# Altium PCB 1166V10.PcbDoc (part 6 of 6)
Units mm, origin at the board's own origin, x right, y up, seen from the top; angles counter-clockwise.
Board outline 155.98 x 100 mm, 8 copper layers (Top Layer, Layer 1, Layer 2, Layer 3, Layer 4, Layer 5, Layer 6, Bottom Layer), stack 1.6 mm thick; 455 components, 271 nets, 1649 pads, 2175 vias.
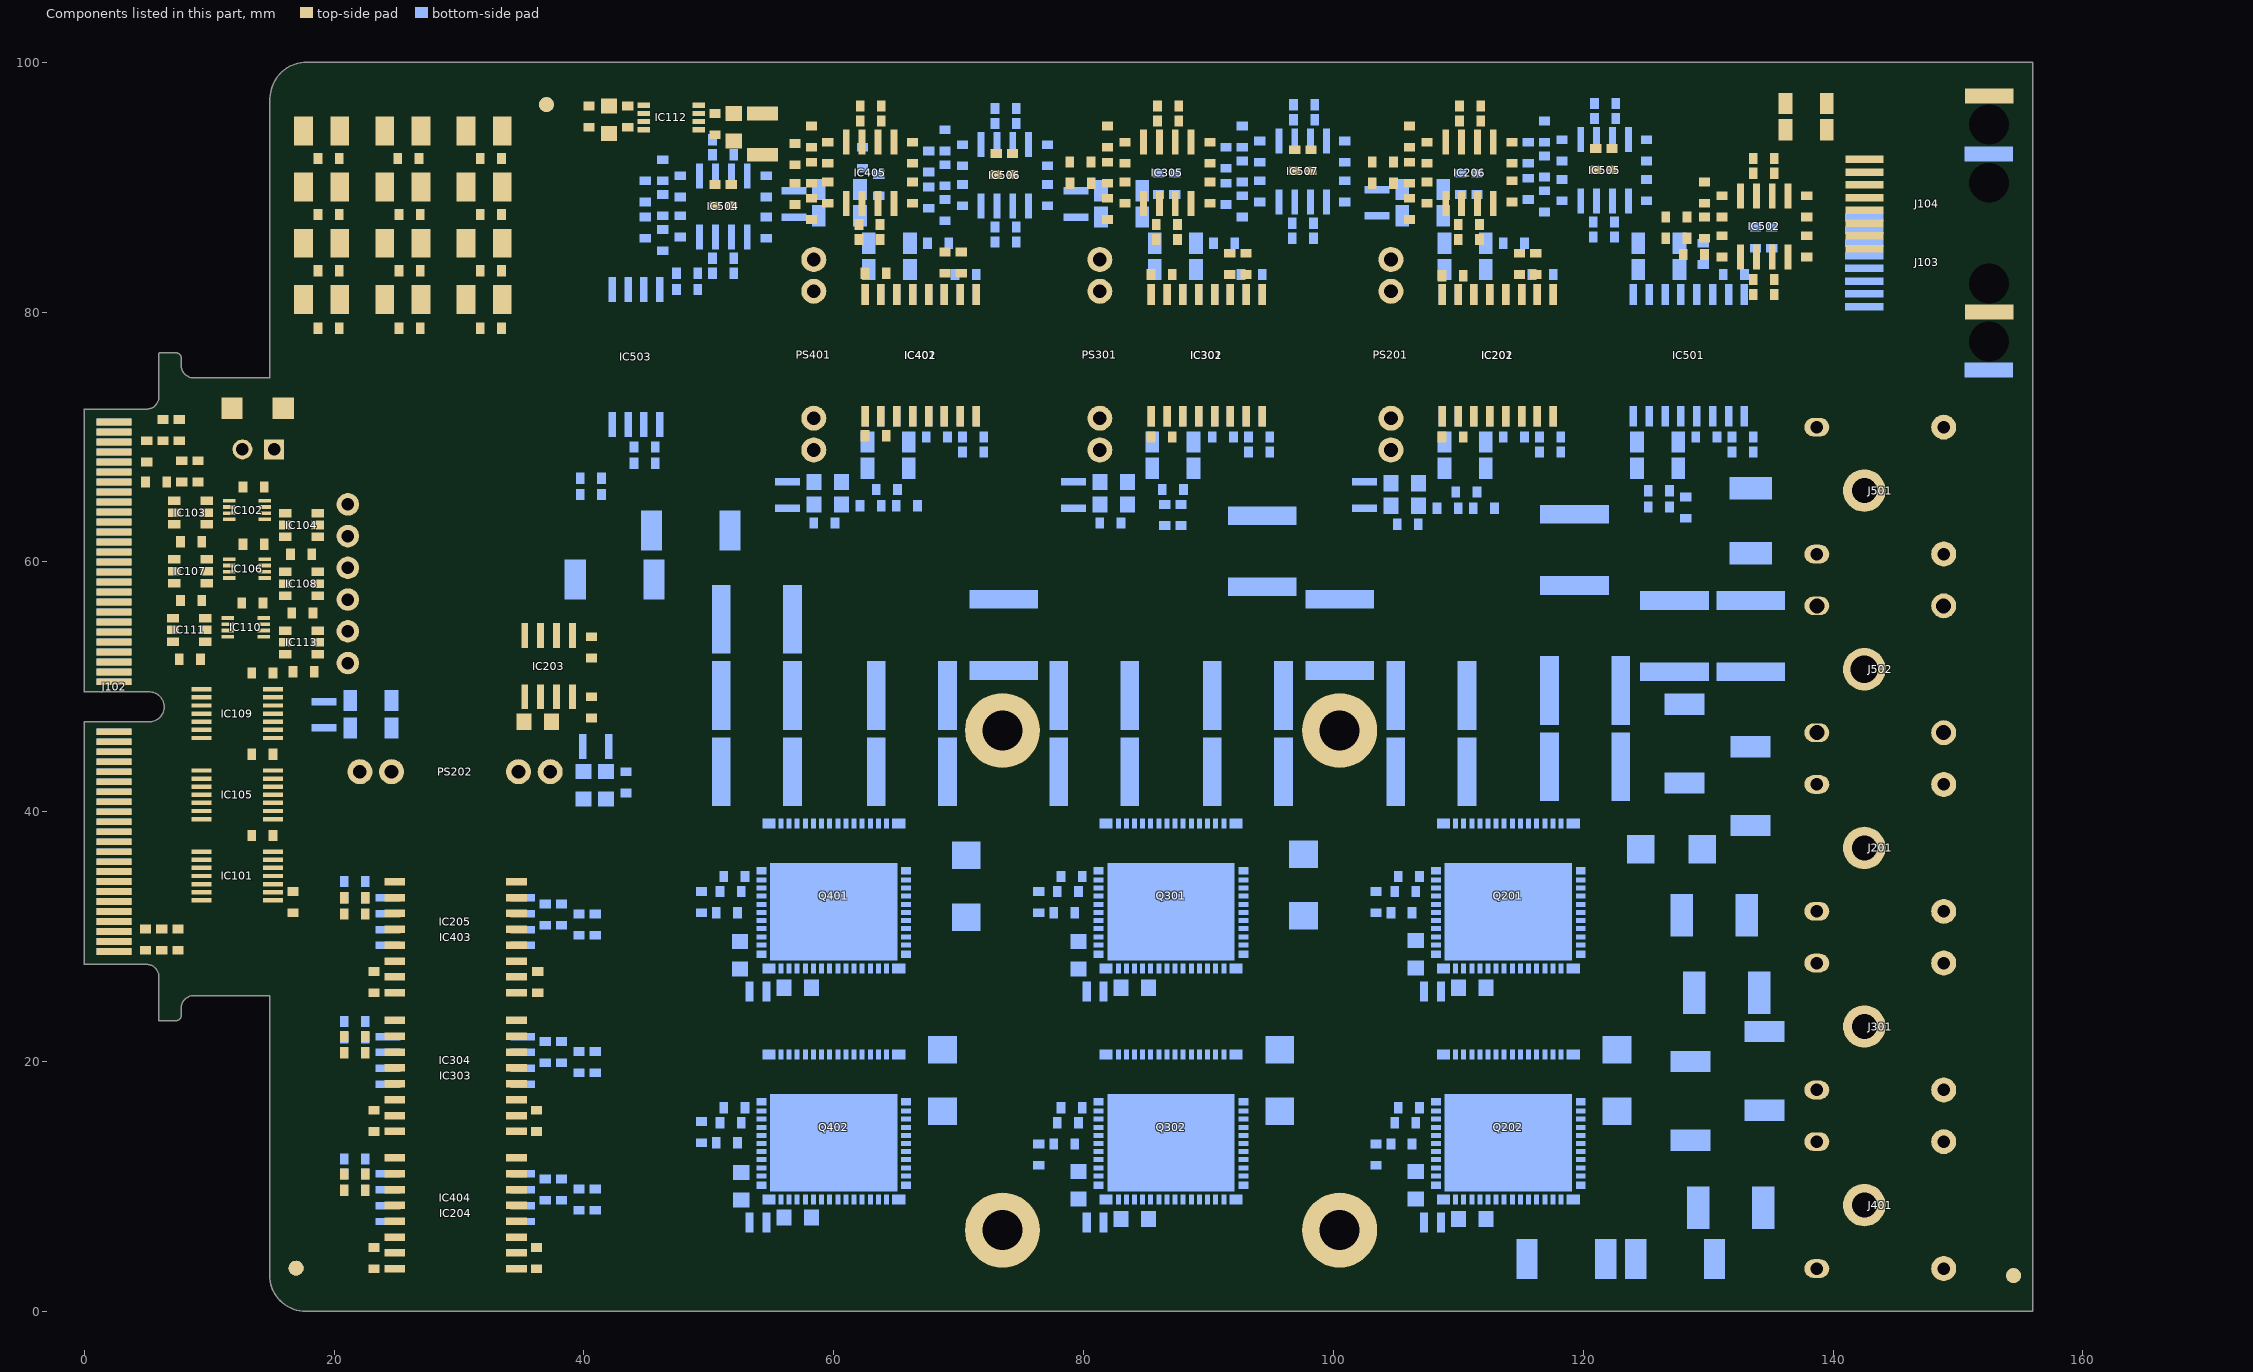
[diagram p12: the components of this part, seen from the top]

## Other copper (continued)
Layer 6:
  rectangle net HV: 68.9,36.5 69.5,37.7
  rectangle net HV: 95.9,36.6 96.5,37.8
  rectangle net HV: 123,37 123.6,38.2
Bottom Layer:
  rectangle net HV: 69,36.6 69.8,37.6
  rectangle net HV: 96,36.7 96.8,37.7
  rectangle net HV: 123.1,37.1 123.9,38.1
  rectangle net SW_L3: 127.8,6.5 128.6,10.1
  rectangle net SW_L2: 127.5,23.7 128.3,27.3
  pour cut-out: 126.4,65.1 126.3,65 126.3,63.8 126.4,63.7 133,63.7 133.7,64.4 133.7,65.1
  pour cut-out: 141.4,100 141.4,73.1 156,73.1 156,100
  text "X2" at 143.097,96.803 h0.76
  text "HV+" at 155.397,64.203 h1.02 r90
  text "HV-" at 155.397,49.903 h1.02 r90
  text "L1" at 155.397,36.303 h1.02 r90
  text "1166V10" at 16.4,26 h1.52
  text "L2" at 155.397,21.803 h1.02 r90
  text "L3" at 155.397,7.603 h1.02 r90

## Silkscreen, mask and mechanical layers (free items; w line width, h text height)
Top Overlay:
  text "Component Layout" at 40.286,125.434 h6.35
  text "Top Overlay" at 66.321,117.179 h3.81
  text "1166V10" at 70.017,110.915 h3.81
  text "UltraZohm 3 Phasen Motor-Modul" at 28.5,103.5 h5.08
Bottom Overlay:
  text "Component Layout" at 121.031,125.3 h6.35
  text "Bottom Overlay" at 103.031,118.3 h3.81
  text "1166V10" at 92.131,111.2 h3.81
  text "UltraZohm 3 Phasen Motor-Modul" at 147,104 h5.08
Top Solder:
  rectangle: 35.2,82.5 36.5,84.1
  rectangle: 35.2,91.4 36.5,93.1
  rectangle: 9.3,69.2 10.9,70.4
  rectangle: 31,96.6 32.4,97.7
  rectangle: 24.5,96.6 26.2,97.7
  rectangle: 18,96.6 19.6,97.7
  rectangle: 141.7,98.4 143.1,99.5
  rectangle: 16.7,68.6 19.2,69.8
  rectangle: 28.2,93.6 29.3,95.2
  rectangle: 21.7,93.6 22.8,95.2
  rectangle: 15.2,93.6 16.3,95.2
  rectangle: 15.2,84.6 16.3,86.2
  rectangle: 21.7,84.6 22.8,86.2
  rectangle: 28.3,88 29.3,91.9
  rectangle: 21.8,88 22.8,91.9
  rectangle: 15.3,88 16.3,91.9
  rectangle: 15.3,79.1 16.3,83
  rectangle: 21.8,79 22.8,82.9
  rectangle: 28.3,79 29.3,82.9
  rectangle: 28.3,84.6 29.4,86.2
Bottom Solder:
  rectangle: 141.7,96.6 143.3,97.7
Mechanical 2:
  lines w0.1: 47,3 47,53 127,53 127,3 47,3
  lines w0.127: -0.5,0 0.5,0 ; 0,-0.5 0,0.5 ; 15.331,2 155.831,2 ; 15.331,98 155.831,98
  lines w8: 29.7,3.9 29.7,66 40.2,76.5 156.4,76.5

## Text inside footprints (layer, text, board x,y; h text height)
LP101: Top Overlay "LP 100 x 156 mm" at 15.631,-2 h1.02